# Altium PCB PCB1.PcbDoc (part 1 of 2)
Units mil, origin at the board's own origin, x right, y up, seen from the top; angles counter-clockwise.
Board outline 3937.01 x 1968.5 mil, 4 copper layers (Top Layer, Layer 1, Layer 2, Bottom Layer), stack 63.78 mil thick; 227 components, 132 nets, 1054 pads, 206 vias.
Unrouted connection lines stored in the file: 3.
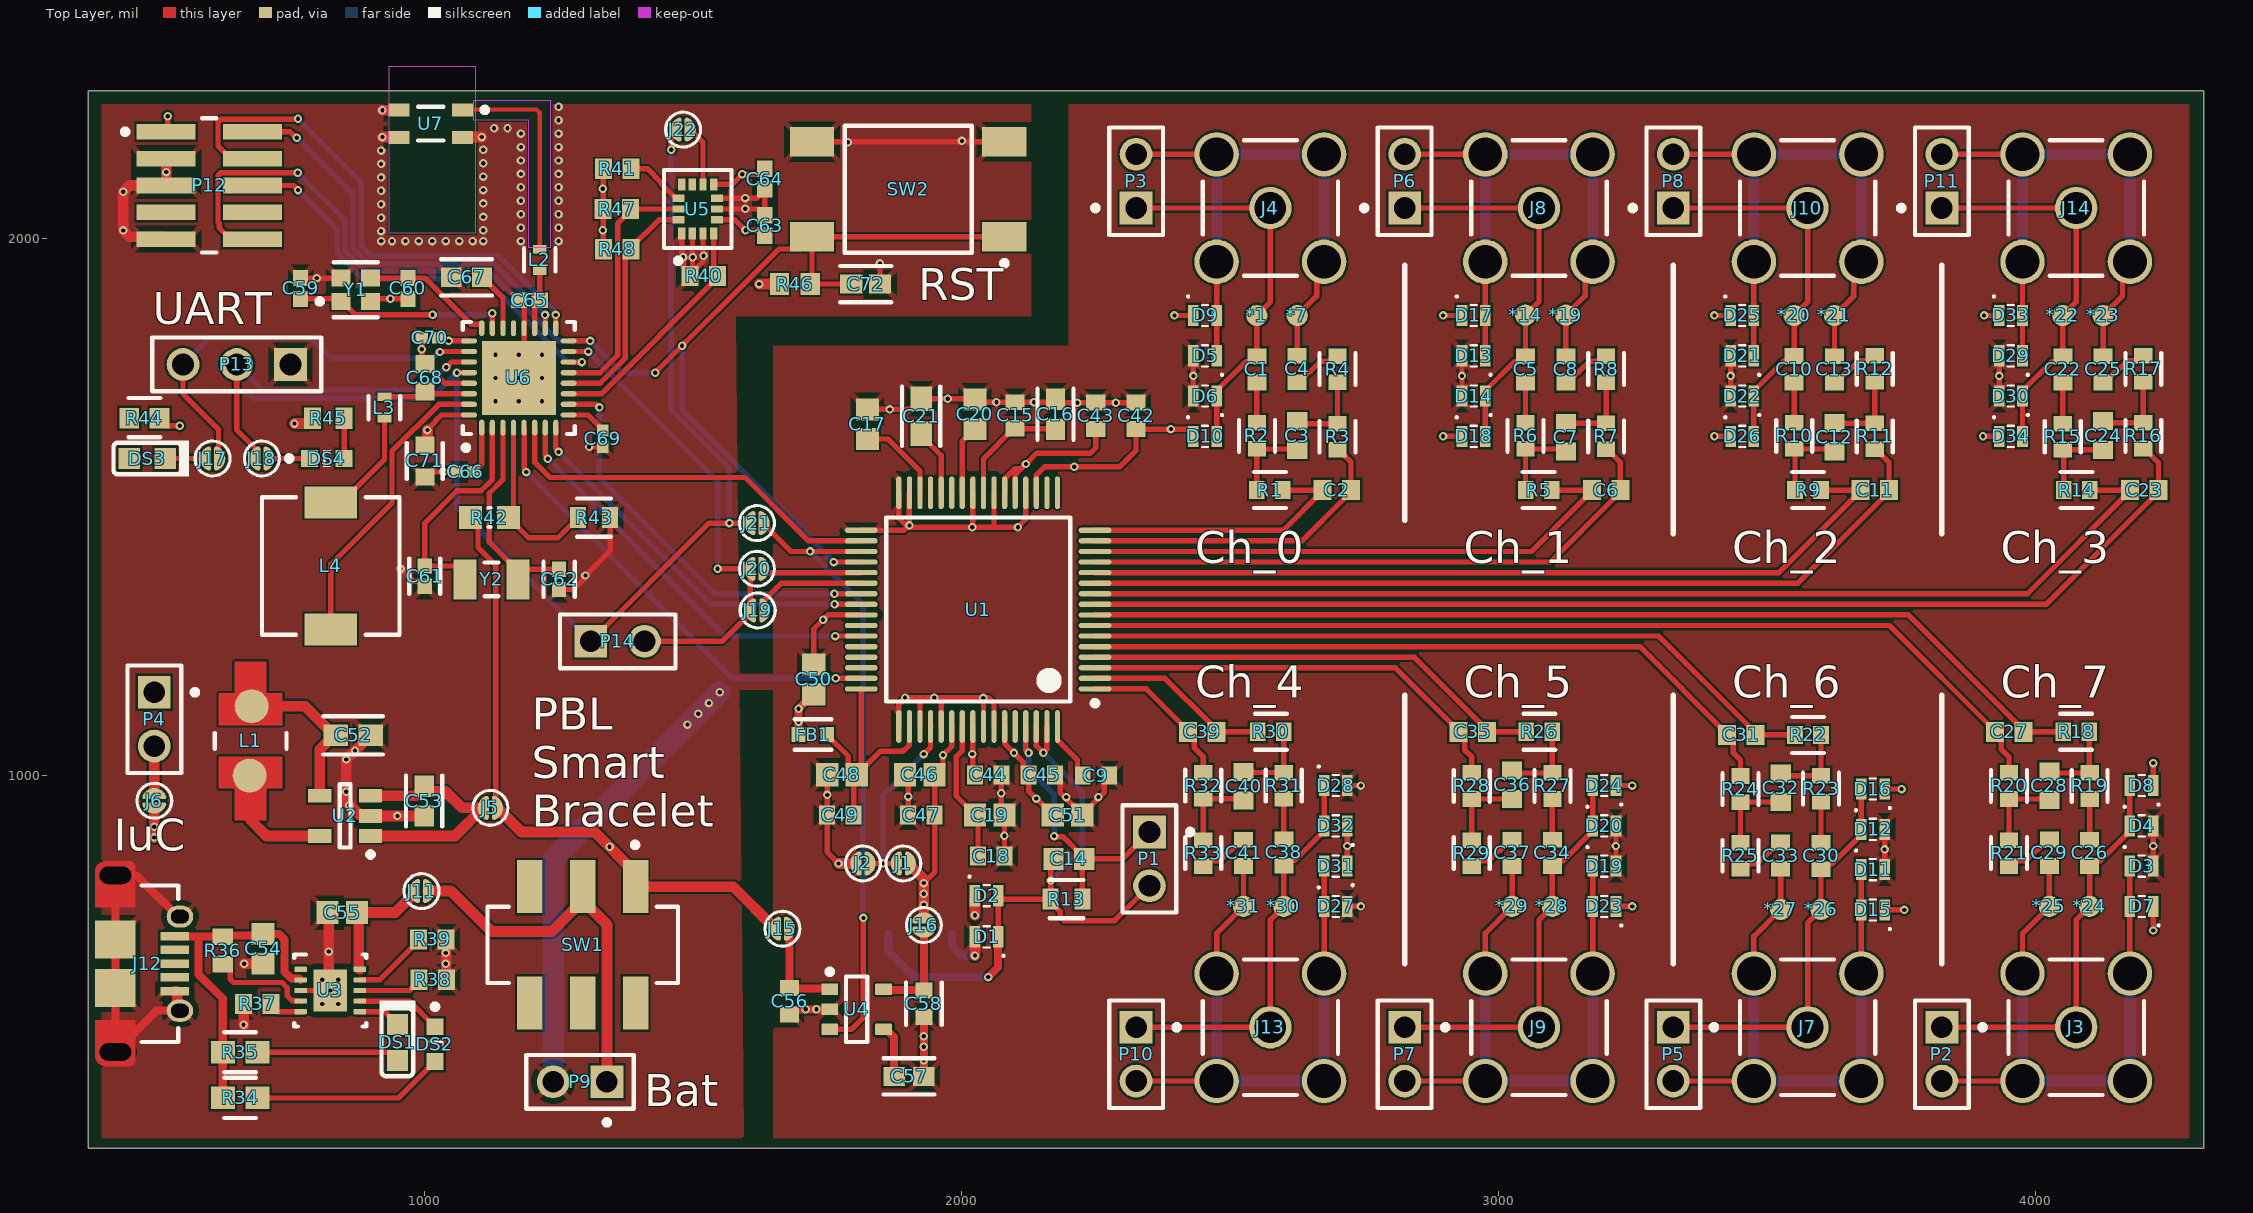
[diagram p0: Top Layer view]
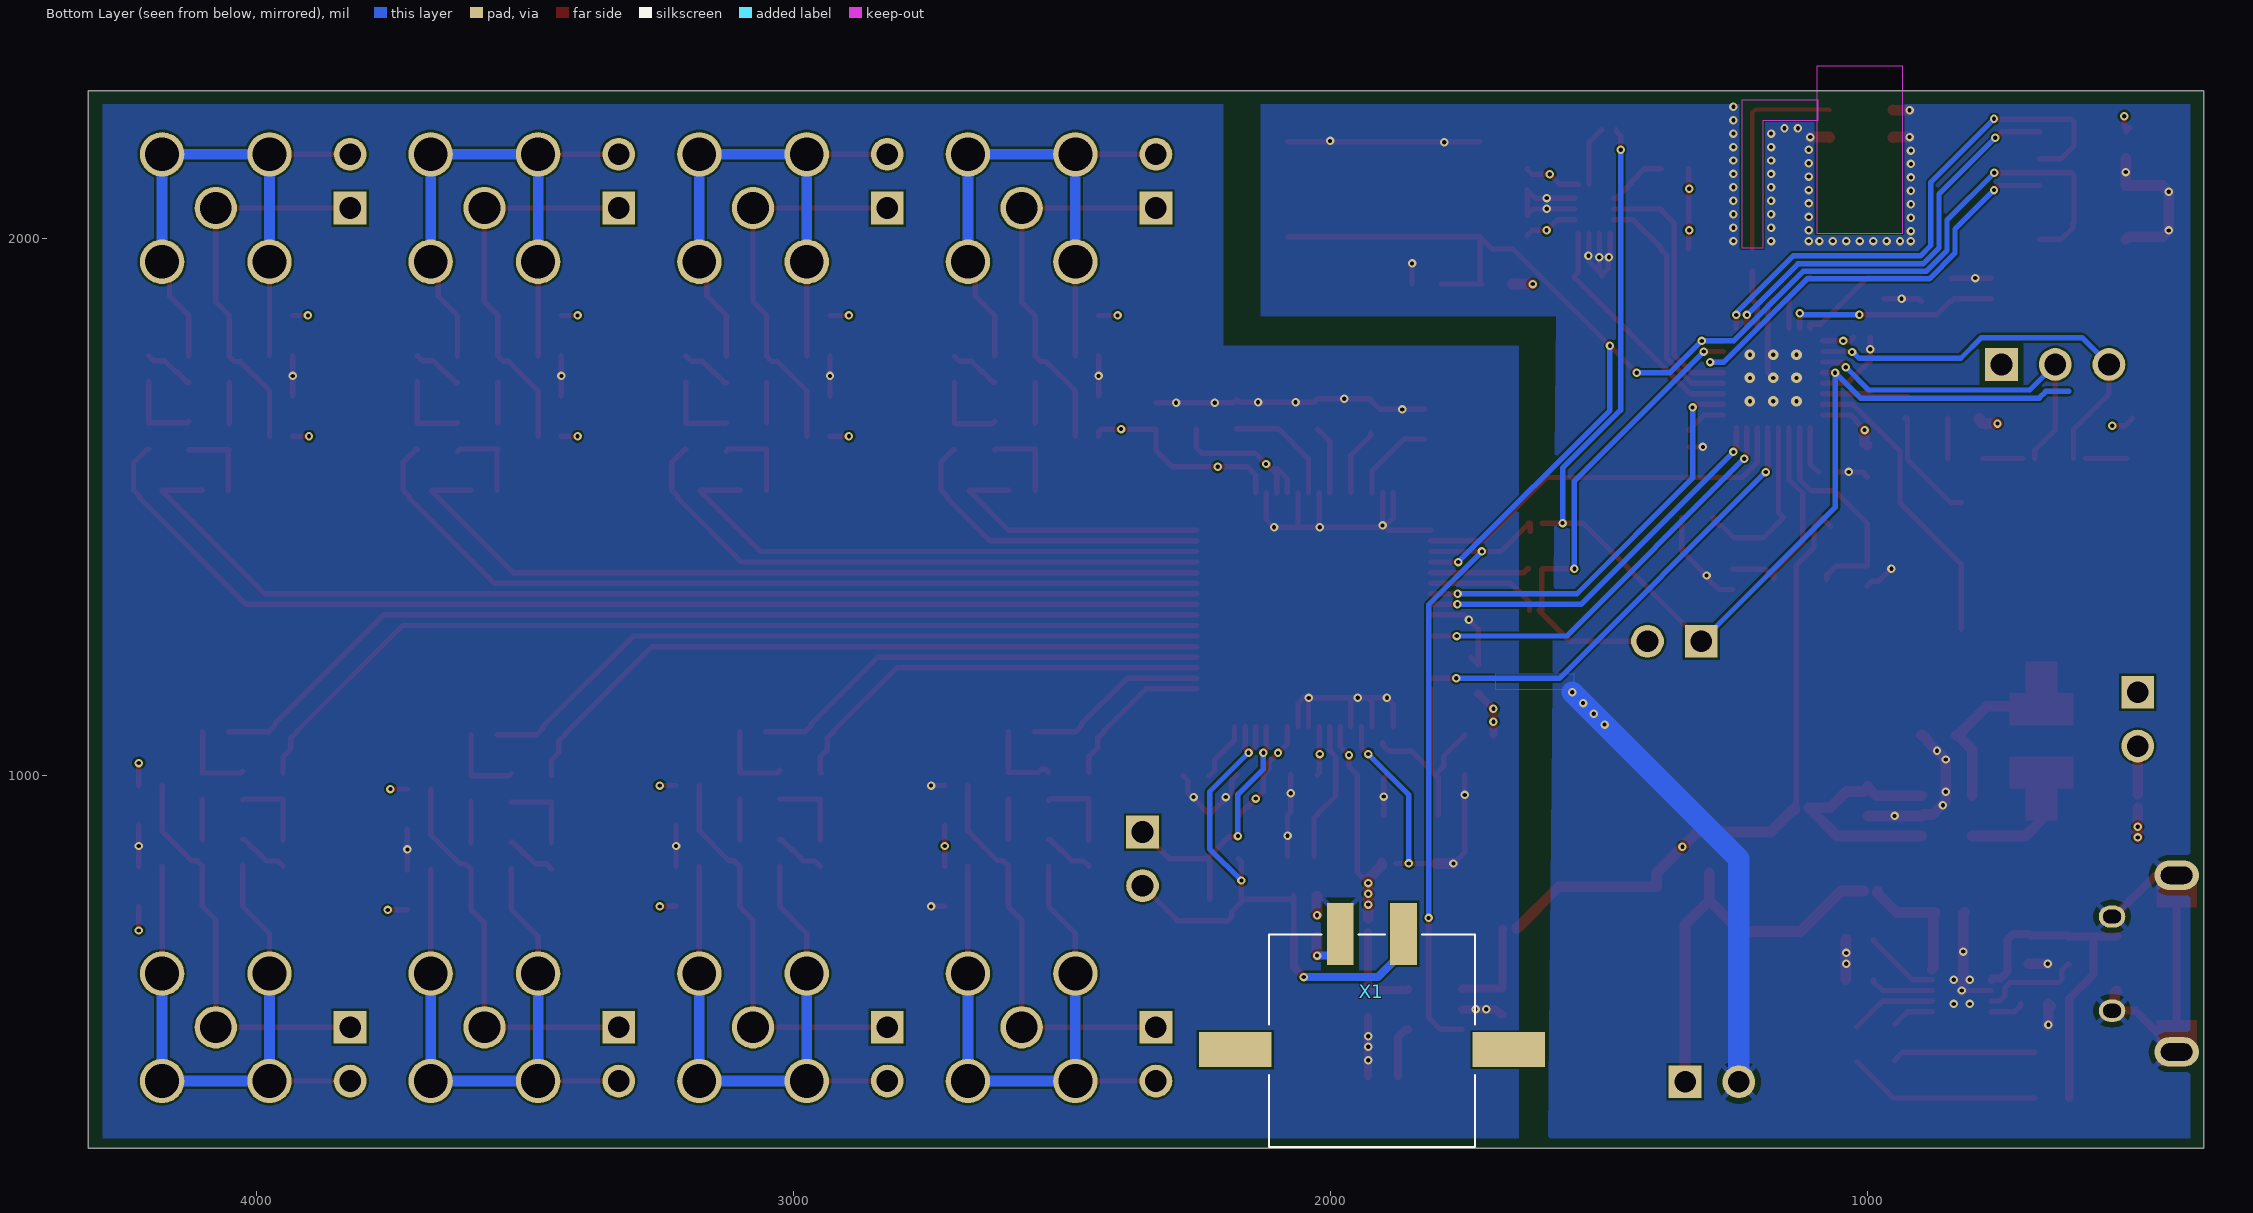
[diagram p1: Bottom Layer view, seen from below]
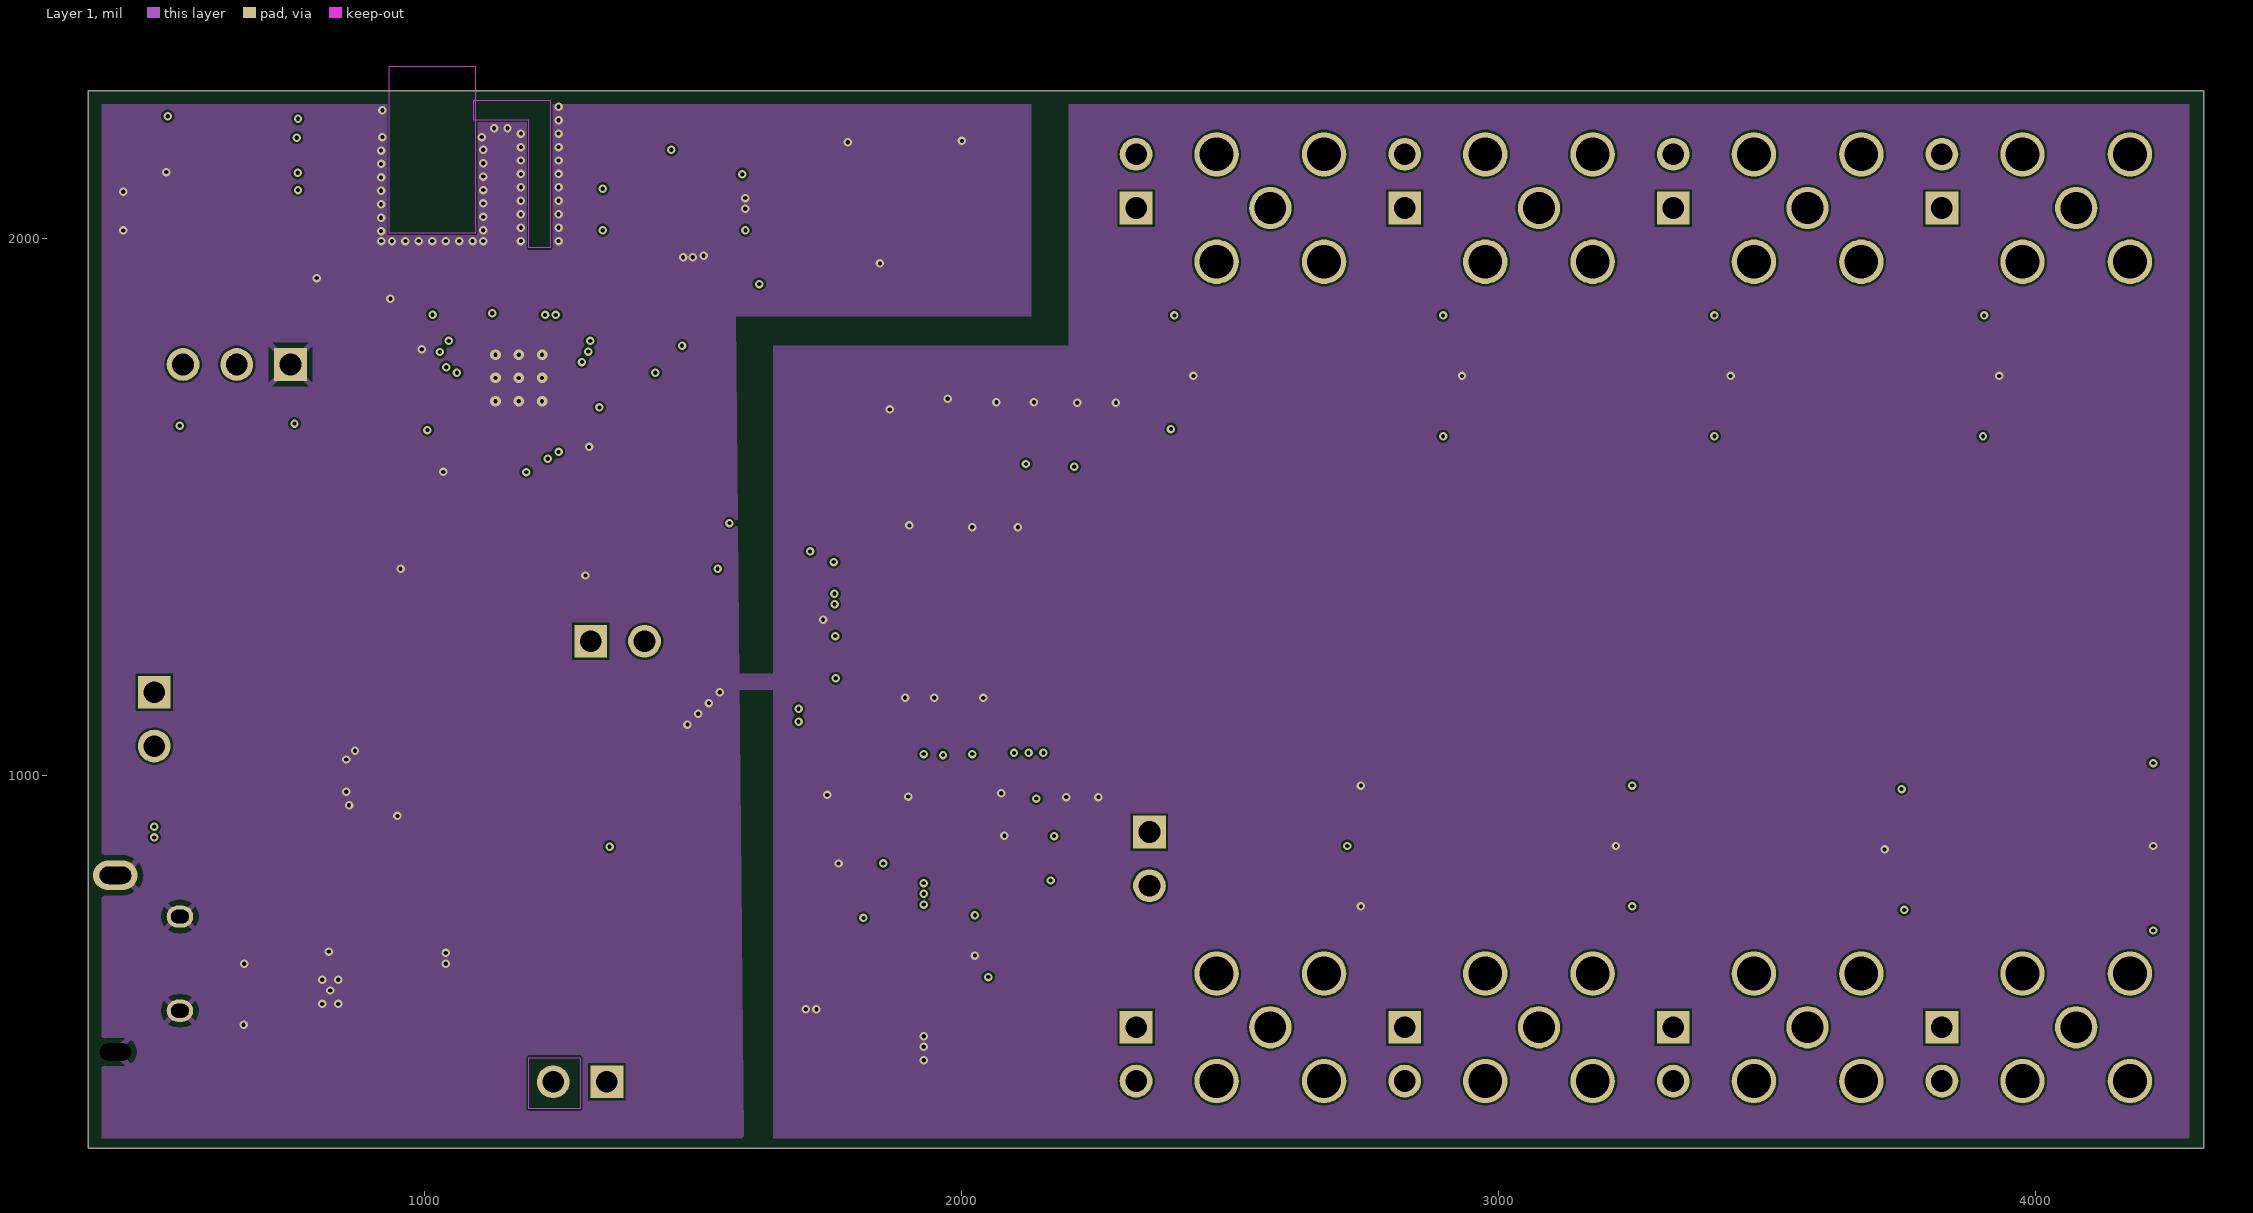
[diagram p2: Layer 1]
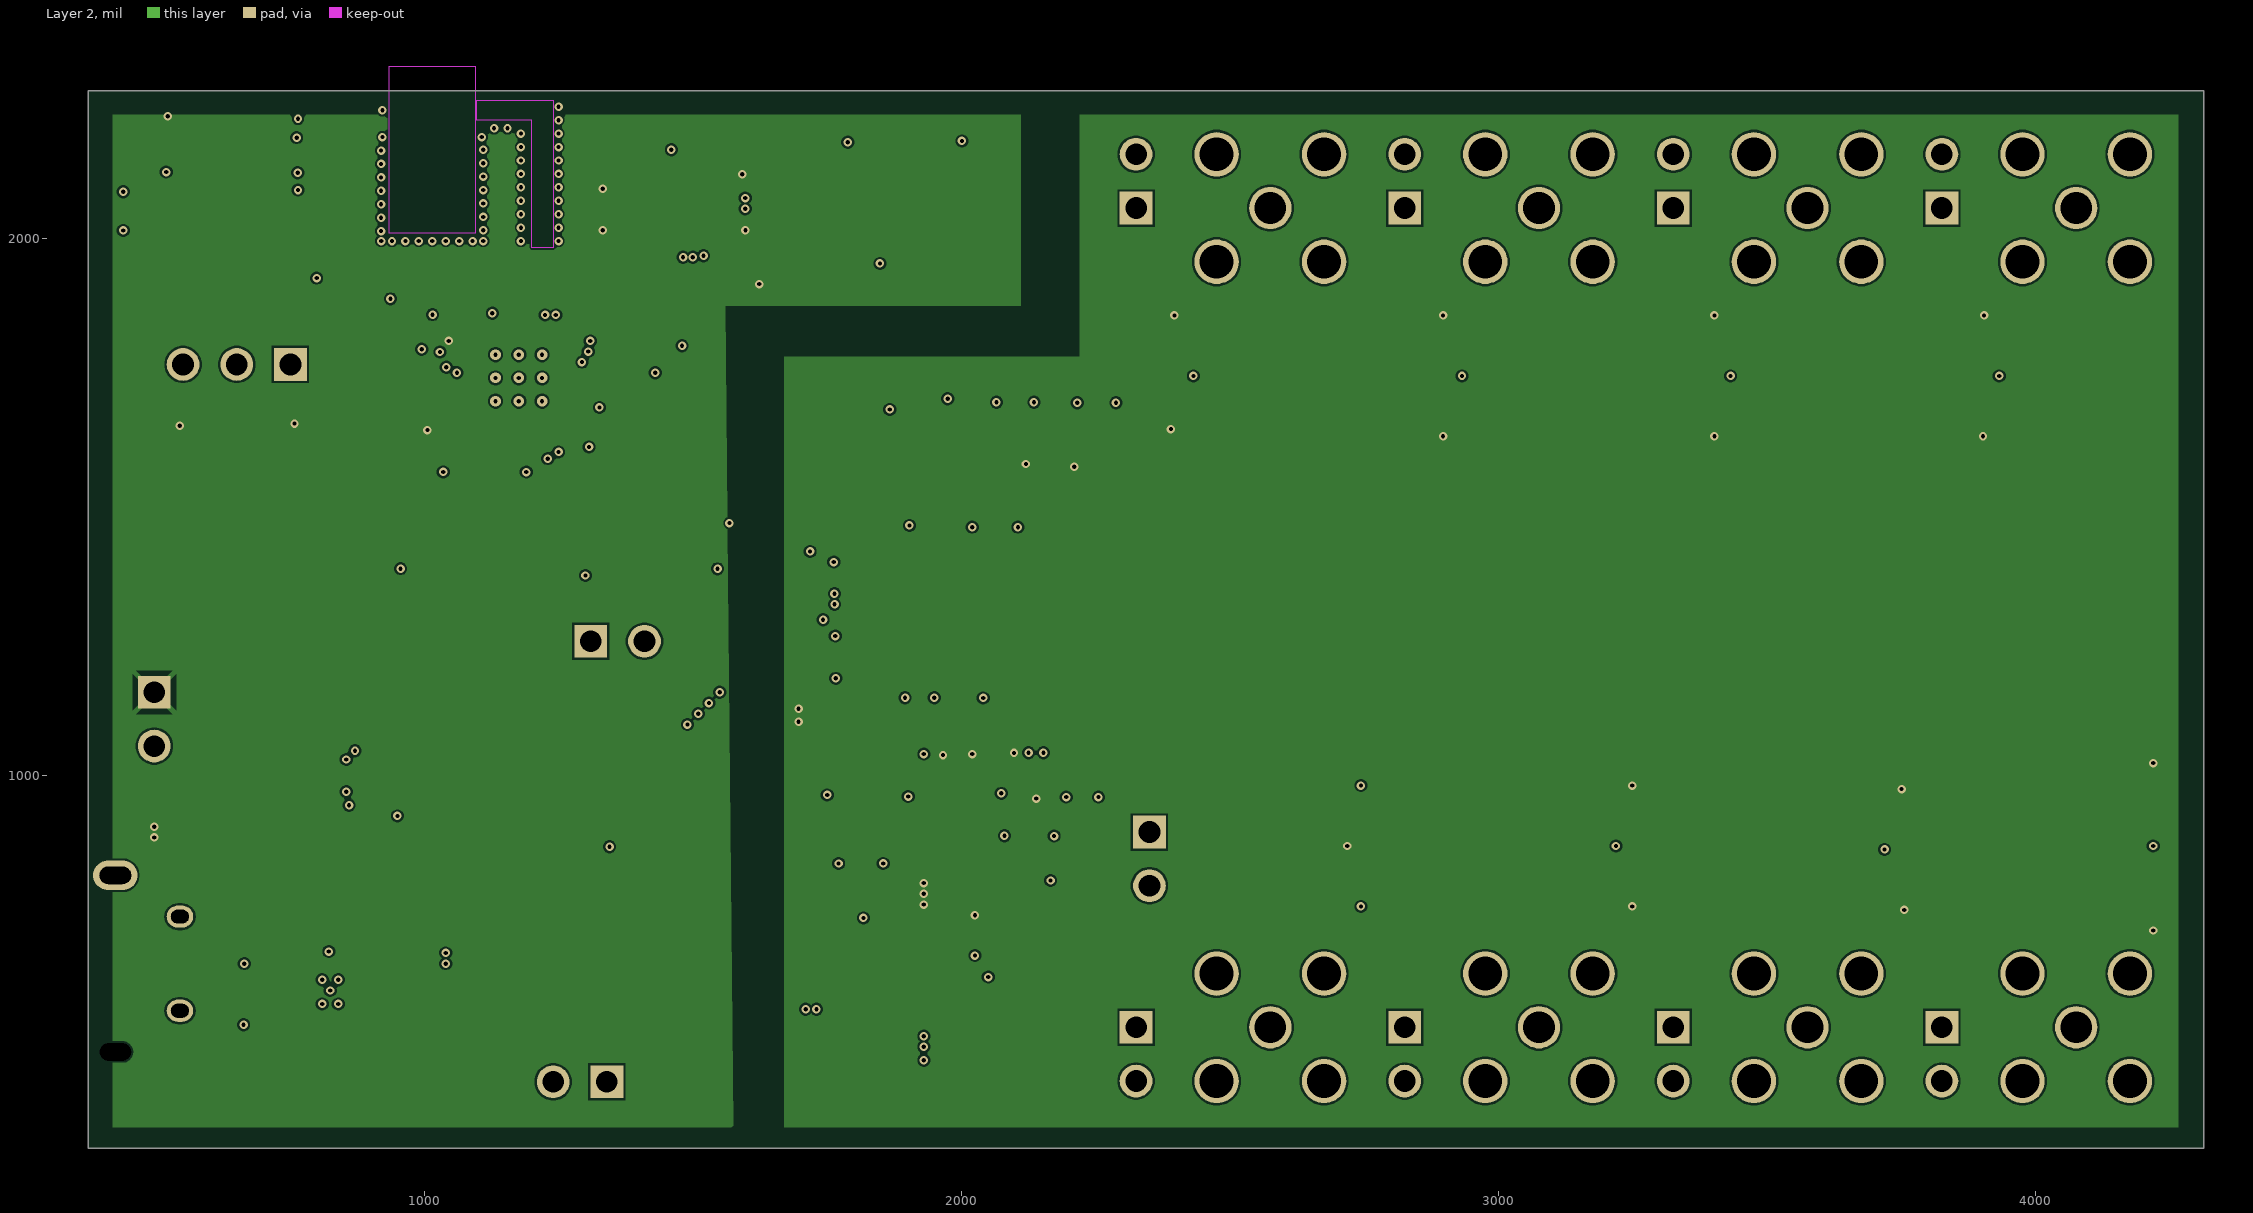
[diagram p3: Layer 2]
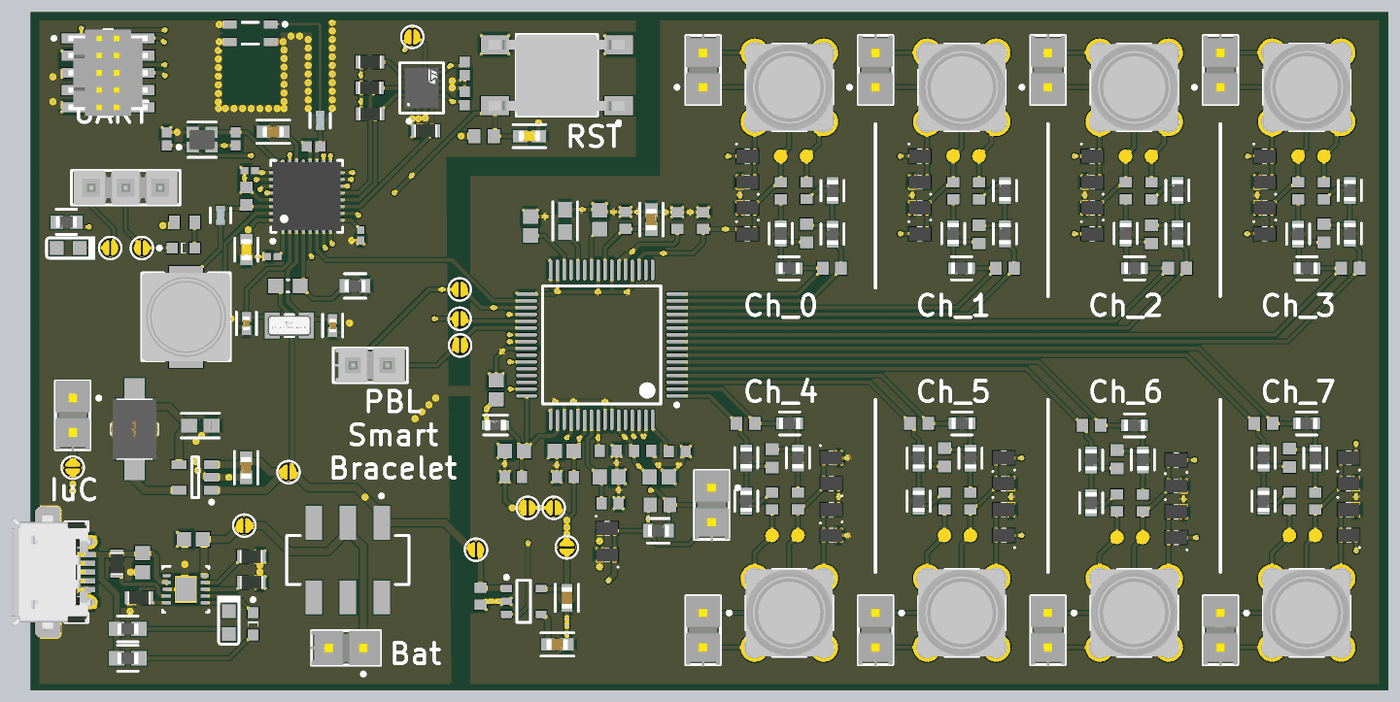
[diagram p5: 3D render of the assembled board from above, using the file's embedded part models]

## Layer stack, top to bottom
Top Solder: solder mask 0.3937, Solder Resist, Dk 3.5
Top Layer: signal copper 1.378
Dielectric 2: prepreg 5.5118, PP-006, Dk 4.1
Layer 1: signal copper 1.378
Dielectric 1: dielectric 47.2441, FR-4, Dk 4.8
Layer 2: signal copper 1.378
Dielectric 3: prepreg 5.5118, PP-006, Dk 4.1
Bottom Layer: signal copper 1.378
Bottom Solder: solder mask 0.3937, Solder Resist, Dk 3.5

## Board outline
375,306.5 4312.01,306.5 4312.01,2275 375,2275

## Design rules (kind name [scope] priority, off if disabled: settings)
Clearance [All] p1: gap=3.94 ignorepadtopadclearanceinfootprint=TRUE
ComponentClearance ComponentClearance_Jumper [(HasFootprint('Small Solder Jumper')) vs (HasFootprint('Small Solder Jumper'))] p1: gap=4 collisioncheckmode=3 verticalgap=100000 showdistances=FALSE
ComponentClearance [All] p2: gap=10 collisioncheckmode=3 verticalgap=10 showdistances=FALSE
PlaneConnect [All] p1: pad.planeconnectstyle=Relief pad.reliefexpansion=10 pad.reliefentries=4 pad.reliefconductorwidth=10 pad.reliefairgap=10 via.planeconnectstyle=Direct via.reliefexpansion=10 via.reliefentries=4 via.reliefconductorwidth=10 via.reliefairgap=10
PolygonConnect [All] p1: thpad.connectstyle=Relief thpad.reliefconductorwidth=10 thpad.reliefentries=4 thpad.polygonreliefangle="45 Angle" thpad.airgapwidth=10 smdpad.connectstyle=Relief smdpad.reliefconductorwidth=10 smdpad.reliefentries=4 smdpad.polygonreliefangle="45 Angle" smdpad.airgapwidth=10 via.connectstyle=Direct via.reliefconductorwidth=10 via.reliefentries=4 via.polygonreliefangle="45 Angle" via.airgapwidth=10
RoomDefinition Smart_Bracelet [InComponentClass('Smart_Bracelet')] p1 off: confinementstyle=ConfineIn formatcopy=TRUE lockcomponents=FALSE outline 425,100066.5 14325,100066.5 14325,100305.5 425,100305.5
RoomDefinition Sheet1 [InComponentClass('Sheet1')] p2 off: confinementstyle=ConfineIn formatcopy=TRUE lockcomponents=FALSE outline 415,99676.5 26825,99676.5 26825,100305.5 415,100305.5
RoomDefinition Sheet2 [InComponentClass('Sheet2')] p3 off: confinementstyle=ConfineIn formatcopy=TRUE lockcomponents=FALSE outline 425,100096.5 11895,100096.5 11895,100305.5 425,100305.5
RoutingVias [All] p1: holewidth=7.87 width=15.75 viastyle="Through Hole" minholewidth=7.87 minwidth=15.75 maxholewidth=28 maxwidth=50
SolderMaskExpansion [All] p1: expansion=2.36 istentingtop=FALSE soldermaskfromhole=TRUE
Width [All] p1: maxlimit=20 minlimit=10 preferedwidth=15
28 further rules are at their usual default settings.

## Classes and differential pairs
component class Smart_Bracelet: C59 C60 C61 C62 C63 C64 C65 C66 C67 C68 C69 C70 C71 C72 DS3 DS4 J17 J18 J19 J20 J21 J22 L2 L3 L4 P12 P13 P14 R40 R41 R42 R43 R44 R45 R46 R47 R48 SW2 U5 U6 U7 Y1 Y2
component class Sheet2: C52 C53 C54 C55 C56 C57 C58 D3 D4 D5 D6 D7 D8 D9 D10 D11 D12 D13 D14 D15 D16 D17 D18 D19 D20 D21 D22 D23 D24 D25 D26 D27 D28 D29 D30 D31 D32 D33 D34 DS1 DS2 J3 J4 J5 J6 J7 J8 J9 J10 J11 J12 J13 J14 J15 J16 L1 P2 P3 P4 P5 P6 P7 P8 P9 P10 P11 R34 R35 R36 R37 R38 R39 SW1 U2 U3 U4
component class Sheet1: *1 *7 *14 *19 *20 *21 *22 *23 *24 *25 *26 *27 *28 *29 *30 *31 C1 C2 C3 C4 C5 C6 C7 C8 C9 C10 C11 C12 C13 C14 C15 C16 C17 C18 C19 C20 C21 C22 C23 C24 C25 C26 C27 C28 C29 C30 C31 C32 C33 C34 C35 C36 C37 C38 C39 C40 C41 C42 C43 C44 C45 C46 C47 C48 C49 C50 C51 D1 D2 FB1 J1 J2 P1 R1 R2 R3 R4 R5 R6 R7 R8 R9 R10 R11 R12 R13 R14 R15 R16 R17 R18 R19 R20 R21 R22 R23 R24 R25 R26 R27 R28 R29 R30 R31 R32 R33 U1 X1

## Components (designator, comment, footprint, x,y, rotation, side; value= is the part's Value field where it differs from the comment)
*1 "TP" Pad-1mm 2550,1856.5 r90 top
*7 "TP" Pad-1mm 2625,1856.5 r90 top
*14 "TP" Pad-1mm 3050,1857.28 r180 top
*19 "TP" Pad-1mm 3125,1857.28 r180 top
*20 "TP" Pad-1mm 3550,1856.5 r180 top
*21 "TP" Pad-1mm 3625,1856.5 r180 top
*22 "TP" Pad-1mm 4050,1856.5 r180 top
*23 "TP" Pad-1mm 4125,1856.5 r180 top
*24 "TP" Pad-1mm 4100,756.5 r0 top
*25 "TP" Pad-1mm 4025,756.5 r0 top
*26 "TP" Pad-1mm 3600,750.79 r0 top
*27 "TP" Pad-1mm 3525,750.79 r0 top
*28 "TP" Pad-1mm 3100,756.5 r0 top
*29 "TP" Pad-1mm 3025,756.5 r0 top
*30 "TP" Pad-1mm 2600,756.5 r0 top
*31 "TP" Pad-1mm 2525,756.5 r0 top
C1 "100nF" CAPC1608X92X38LL15T08 2550,1756.1 r270 top
C2 "270p" CAPC1608X90X35NL10T15 2698.43,1531.5 r180 top
C3 "270p" CAPC1608X90X35NL10T15 2625,1633.07 r270 top
C4 "100nF" CAPC1608X92X38LL15T08 2625,1756.89 r270 top
C5 "100nF" CAPC1608X92X38LL15T08 3050,1756.1 r270 top
C6 "270p" CAPC1608X90X35NL10T15 3200,1531.5 r180 top
C7 "270p" CAPC1608X90X35NL10T15 3125,1629.92 r270 top
C8 "100nF" CAPC1608X92X38LL15T08 3125,1756.1 r270 top
C9 "1nF" CAPC1608X90X35LL10T15 2250.39,1000 r180 top
C10 "100nF" CAPC1608X92X38LL15T08 3550,1756.5 r270 top
C11 "270p" CAPC1608X90X35NL10T15 3700,1531.5 r180 top
C12 "270p" CAPC1608X90X35NL10T15 3625,1629.92 r270 top
C13 "100nF" CAPC1608X92X38LL15T08 3625,1756.1 r270 top
C14 "1.5nF" CAPC1608X90X35ML10T15 2200,845 r0 top
C15 "100nF" CAPC1608X92X38LL15T08 2100,1670.39 r270 top
C16 "10uF" FP-GRM188-0_1-e0_2_0_55-IPC_B 2175,1672.63 r90 top
C17 "1uF" CAPC1608X95X40ML15T15 1825,1654.06 r270 top
C18 "100nF" CAPC1608X92X38LL15T08 2055.39,850 r0 top
C19 "1uF" CAPC1608X95X40ML15T15 2052.56,926.5 r180 top
C20 "1uF" CAPC1608X95X40ML15T15 2025,1672.56 r270 top
C21 "22uF" FP-CL10-IPC_A 1925,1668.94 r90 top
C22 "100nF" CAPC1608X92X38LL15T08 4050,1756.1 r270 top
C23 "270p" CAPC1608X90X35NL10T15 4201.57,1531.5 r180 top
C24 "270p" CAPC1608X90X35NL10T15 4125,1633.07 r270 top
C25 "100nF" CAPC1608X92X38LL15T08 4125,1756.1 r270 top
C26 "100nF" CAPC1608X92X38LL15T08 4100,856.1 r90 top
C27 "270p" CAPC1608X90X35NL10T15 3950,1081.5 r0 top
C28 "270p" CAPC1608X90X35NL10T15 4025,981.5 r90 top
C29 "100nF" CAPC1608X92X38LL15T08 4025,856.5 r90 top
C30 "100nF" CAPC1608X92X38LL15T08 3600,850.39 r90 top
C31 "270p" CAPC1608X90X35NL10T15 3451.57,1075.79 r0 top
C32 "270p" CAPC1608X90X35NL10T15 3525,977.36 r90 top
C33 "100nF" CAPC1608X92X38LL15T08 3525,851.18 r90 top
C34 "100nF" CAPC1608X92X38LL15T08 3100,856.1 r90 top
C35 "270p" CAPC1608X90X35NL10T15 2951.57,1081.5 r0 top
C36 "270p" CAPC1608X90X35NL10T15 3025,983.07 r90 top
C37 "100nF" CAPC1608X92X38LL15T08 3025,856.1 r90 top
C38 "100nF" CAPC1608X92X38LL15T08 2600,856.89 r90 top
C39 "270p" CAPC1608X90X35NL10T15 2448.43,1081.5 r0 top
C40 "270p" CAPC1608X90X35NL10T15 2525,979.92 r90 top
C41 "100nF" CAPC1608X92X38LL15T08 2525,856.1 r90 top
C42 "100nF" CAPC1608X92X38LL15T08 2325,1669.61 r270 top
C43 "100nF" CAPC1608X92X38LL15T08 2250,1669.61 r270 top
C44 "100nF" CAPC1608X92X38LL15T08 2049.61,1001.5 r180 top
C45 "100nF" CAPC1608X92X38LL15T08 2149.61,1001.5 r180 top
C46 "1uF" CAPC1608X95X40ML15T15 1922.44,1001.5 r0 top
C47 "100nF" CAPC1608X92X38LL15T08 1925.39,926.5 r0 top
C48 "1uF" CAPC1608X95X40ML15T15 1777.56,1001.5 r0 top
C49 "100nF" CAPC1608X92X38LL15T08 1774.61,926.5 r0 top
C50 "1uF" CAPC1608X95X40ML15T15 1725,1179.06 r270 top
C51 "1uF" CAPC1608X95X40ML15T15 2197.44,926.5 r180 top
C52 "22uF" FP-CL10-IPC_A 867.44,1075 r0 top
C53 "10uF" FP-GRM188-0_1-e0_2_0_55-IPC_B 1000,952.63 r270 top
C54 "1uF" CAPC1608X95X40ML15T15 700,677.56 r90 top
C55 "1uF" CAPC1608X95X40ML15T15 847.44,745 r0 top
C56 "100nF" CAPC1608X92X38LL15T08 1680,580 r270 top
C57 "10uF" FP-GRM188-0_1-e0_2_0_55-IPC_B 1902.37,440 r0 top
C58 "2.2uF" FP-GRM188-0_1-e0_2_0_5-IPC_C 1930,575.33 r270 top
C59 "15pF" CAPC1005X55X25ML05T10 769.74,1906.73 r270 top
C60 "15pF" CAPC1005X55X25ML05T10 969.74,1906.73 r90 top
C61 "18pF" FP-GJM155-0_05-IPC_A 1001.02,1371.41 r270 top
C62 "18pF" FP-GJM155-0_05-IPC_A 1251.02,1365.26 r270 top
C63 "100nF" CAPC1005X56X25ML10T15 1634.07,2023.98 r90 top
C64 "100nF" CAPC1005X56X25ML10T15 1634.07,2110.39 r270 top
C65 "0.8pF" CAPC1005X55X25ML05T10 1195.71,1885 r0 top
C66 "100nF" CAPC1005X56X25LL10T15 1076.02,1565.26 r0 top
C67 "100pF" FP-GCM188-0_1-IPC_B 1078.89,1927.5 r180 top
C68 "1uF" CAPC1608X90X35LL15T15 1001.02,1740.85 r270 top
C69 "100nF" CAPC1005X56X25LL10T15 1332.5,1627.15 r90 top
C70 "100nF" CAPC1005X56X25LL10T15 1010.67,1815.26 r0 top
C71 "4.7uF" FP-CC0603-DA-MFG 1001.02,1585.73 r270 top value="4.7 uF"
C72 "CC0603KRX7R9BB104" FP-CC0603-DA-IPC_B 1821.65,1915 r180 top value="100 nF"
D1 "ESD" DFN110P160X55-2N 2046.65,700 r180 top
D2 "ESD" DFN110P160X55-2N 2046.65,776.5 r0 top
D3 "ESD" DFN110P160X55-2N 4196.65,831.5 r0 top
D4 "ESD" DFN110P160X55-2N 4196.65,906.5 r0 top
D5 "ESD" DFN110P160X55-2N 2453.35,1781.5 r180 top
D6 "ESD" DFN110P160X55-2N 2453.35,1706.5 r180 top
D7 "ESD" DFN110P160X55-2N 4196.65,756.5 r180 top
D8 "ESD" DFN110P160X55-2N 4196.65,981.5 r180 top
D9 "ESD" DFN110P160X55-2N 2453.35,1856.5 r0 top
D10 "ESD" DFN110P160X55-2N 2453.35,1631.5 r0 top
D11 "ESD" DFN110P160X55-2N 3696.65,825 r0 top
D12 "ESD" DFN110P160X55-2N 3696.65,900 r0 top
D13 "ESD" DFN110P160X55-2N 2953.35,1781.5 r180 top
D14 "ESD" DFN110P160X55-2N 2953.35,1706.5 r180 top
D15 "ESD" DFN110P160X55-2N 3696.65,750 r180 top
D16 "ESD" DFN110P160X55-2N 3696.65,975 r180 top
D17 "ESD" DFN110P160X55-2N 2953.35,1856.5 r0 top
D18 "ESD" DFN110P160X55-2N 2953.35,1631.5 r0 top
D19 "ESD" DFN110P160X55-2N 3196.65,831.5 r0 top
D20 "ESD" DFN110P160X55-2N 3196.65,906.5 r0 top